# Allegro board 8880F5-0825_4.brd (continued)
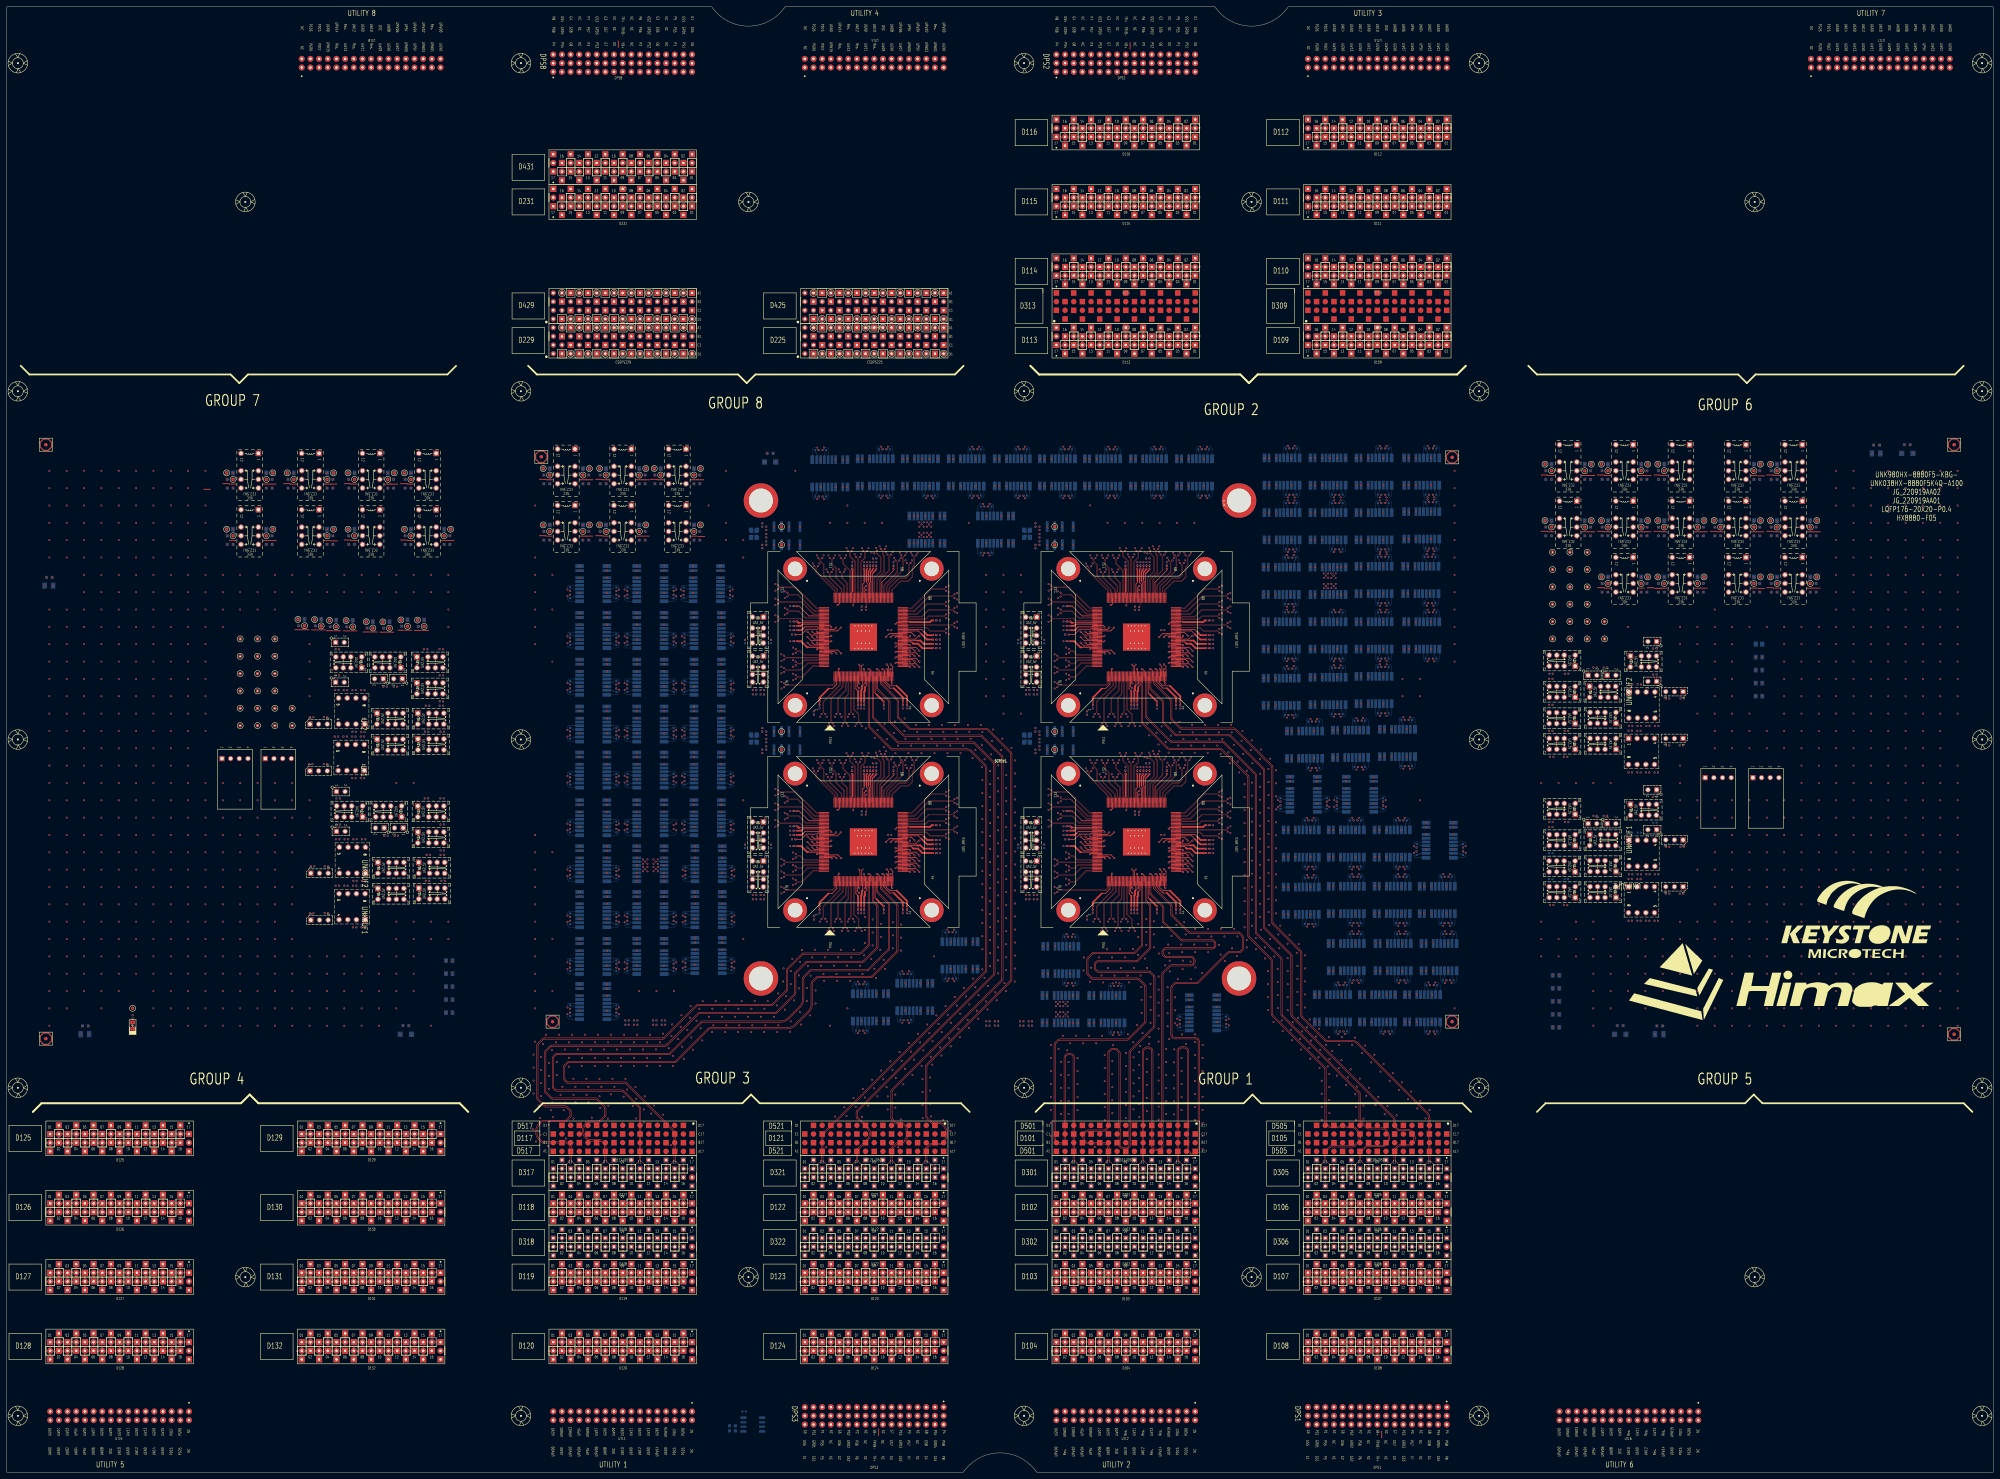
[diagram p0: board, top side]
## Routing (per net, layer and track width the routed paths; a pad name or vN(x,y) marks a point on that pad's centre or on a via; arc(x,y) is an arc through that point) (continued)
v1(266.71,59.79) v1(266.71,57.25) v1(266.71,39.47) v1(266.71,36.93) v1(266.81,128.43) v1(266.96,214.85) v1(267.21,278.26) v1(267.21,276.99) v1(267.21,275.21) v1(267.21,273.94) v1(267.43,125.91) v1(267.59,143.19) v1(267.59,135.19) v1(267.82,210.63) v1(267.89,119.02) v1(267.91,88.9) v1(267.98,78.84) v1(267.96,76.1) v1(267.91,68.58) v1(267.98,58.52) v1(267.96,55.78) v1(267.98,38.2) v1(267.96,35.46) v1(268.01,296.86) v1(268.03,86.36) v1(268.03,66.04) v1(268.13,115.14) v1(268.13,111.33) v1(268.13,107.52) v1(268.19,103.71) v1(268.48,278.26) v1(268.48,276.99) v1(268.48,275.21) v1(268.48,273.94) v1(268.39,123.55) v1(268.62,212.85) v1(268.94,280.1) v1(268.94,272.1) v1(269.24,87.57) v1(269.24,85.15) v1(269.23,77.37) v1(269.23,74.83) v1(269.24,67.25) v1(269.24,64.83) v1(269.23,57.05) v1(269.23,54.51) v1(269.23,36.73) v1(269.23,34.19) v1(269.41,278.26) v1(269.41,276.99) v1(269.41,275.21) v1(269.41,273.94) v1(269.5,131.12) v1(269.98,218.85) v1(270.13,128.6) v1(270.21,296.86) v1(270.21,288.86) v1(270.35,115.62) v1(270.35,111.81) v1(270.35,108) v1(270.43,216.89) v1(270.45,86.36) v1(270.45,66.04) v1(270.56,104.2) v1(270.57,88.9) v1(270.52,78.84) v1(270.5,76.1) v1(270.57,68.58) v1(270.52,58.52) v1(270.5,55.78) v1(270.52,38.2) v1(270.5,35.46) v1(270.68,278.26) v1(270.68,276.99) v1(270.68,275.21) v1(270.68,273.94) v1(270.58,121.72) v1(270.77,214.85) v1(271.04,143.19) v1(271.04,135.19) v1(271.01,119.37) v1(271.14,280.1) v1(271.14,272.1) v1(271.09,126.24) v1(271.53,151.1) v1(271.63,210.63) v1(271.78,90.11) v1(271.78,87.69) v1(271.78,69.79) v1(271.78,67.37) v1(271.79,80.11) v1(271.79,77.57) v1(271.79,59.79) v1(271.79,57.25) v1(271.79,39.47) v1(271.79,36.93) v1(272.2,133.82) v1(272.43,212.85) v1(272.66,296.86) v1(272.82,131.3) v1(272.99,88.9) v1(273.06,78.84) v1(272.99,68.58) v1(273.06,58.52) v1(273.06,38.2) v1(273.27,124.41) v1(273.7,122.07) v1(273.79,218.85) v1(273.78,128.93) v1(274.24,216.89) v1(274.23,103.15) v1(274.58,214.85) v1(274.59,280.1) v1(274.59,272.1) v1(274.89,136.51) v1(275.44,210.63) v1(275.52,133.99) v1(275.82,296.86) v1(275.82,288.86) v1(275.84,259.69) v1(275.84,257.79) v1(275.84,255.3) v1(275.84,253.39) v1(275.84,251.67) v1(275.84,249.76) v1(275.84,247.4) v1(275.84,245.5) v1(275.84,199.69) v1(275.84,197.79) v1(275.84,195.3) v1(275.84,193.39) v1(275.84,191.67) v1(275.84,189.76) v1(275.84,187.4) v1(275.84,185.5) v1(275.97,127.1) v1(276.24,212.85) v1(276.29,99.95) v1(276.4,155.38) v1(276.4,147.38) v1(276.48,131.63) v1(276.4,124.76) v1(277.6,218.85) v1(277.58,139.21) v1(278.05,216.89) v1(278.21,136.69) v1(278.28,257.56) v1(278.28,255.65) v1(278.28,253.6) v1(278.28,251.7) v1(278.28,249.18) v1(278.28,247.28) v1(278.28,197.56) v1(278.28,195.65) v1(278.28,193.6) v1(278.28,191.7) v1(278.28,189.18) v1(278.28,187.28) v1(278.39,214.85) v1(278.66,129.8) v1(279.17,134.32) v1(279.09,127.46) v1(279.27,296.86) v1(279.27,288.86) v1(279.25,210.63) v1(280.05,212.85) v1(280.28,141.9) v1(280.8,155.38) v1(280.8,147.38) v1(280.9,139.38) v1(281.36,132.49) v1(281.41,218.85) v1(281.69,278.1) v1(281.86,216.89) v1(281.86,137.02) v1(281.79,130.15) v1(282.2,214.85) v1(282.8,209.22) v1(282.97,144.59) v1(283.67,296.86) v1(283.67,288.86) v1(283.63,211.54) v1(283.6,142.07) v1(284.05,135.19) v1(284.25,155.38) v1(284.25,147.38) v1(284.48,132.84) v1(284.56,139.71) v1(285.22,218.85) v1(285.51,212.97) v1(285.49,206.53) v1(285.66,216.79) v1(285.67,202.72) v1(285.67,198.91) v1(285.67,195.1) v1(285.67,191.29) v1(285.67,187.48) v1(285.67,183.67) v1(285.67,179.86) v1(285.67,176.05) v1(285.67,172.24) v1(285.67,168.43) v1(285.67,164.62) v1(285.67,160.81) v1(285.67,157) v1(285.67,153.19) v1(285.67,147.29) v1(286.32,208.85) v1(286.29,144.77) v1(286.77,262.86) v1(286.77,257.78) v1(286.77,252.7) v1(286.77,247.62) v1(286.77,242.54) v1(286.77,237.46) v1(286.77,232.38) v1(286.77,227.3) v1(286.74,137.88) v1(286.81,280.1) v1(286.81,272.1) v1(287.17,135.54) v1(287.25,142.4) v1(287.89,205.38) v1(287.89,201.57) v1(287.89,197.76) v1(287.89,193.95) v1(287.89,190.14) v1(287.89,186.33) v1(287.89,182.52) v1(287.89,178.71) v1(287.89,174.9) v1(287.89,171.09) v1(287.89,167.28) v1(287.89,163.47) v1(287.89,159.66) v1(287.89,155.85) v1(287.89,152.04) v1(287.89,148.23) v1(288.21,210.27) v1(288.46,214.2) v1(288.81,217.55) v1(289.29,296.86) v1(289.29,288.86) v1(289.31,130.81) v1(289.44,140.57) v1(289.87,138.23) v1(290.28,207.07) v1(290.28,203.26) v1(290.28,199.45) v1(290.28,195.64) v1(290.28,191.83) v1(290.28,188.02) v1(290.28,184.21) v1(290.28,180.4) v1(290.28,176.59) v1(290.28,172.78) v1(290.28,168.97) v1(290.28,165.16) v1(290.28,161.35) v1(290.28,157.54) v1(290.28,153.73) v1(290.28,149.92) v1(290.28,146.11) v1(291.16,211.51) v1(291.21,280.1) v1(291.21,272.1) v1(291.5,214.86) v1(291.85,262.86) v1(291.85,257.78) v1(291.85,252.7) v1(291.85,247.62) v1(291.85,237.46) v1(291.85,232.38) v1(291.85,227.3) v1(291.85,222.22) v1(292.13,143.27) v1(292.56,140.93) v1(292.65,208) v1(292.65,204.19) v1(292.65,200.38) v1(292.65,196.57) v1(292.65,192.76) v1(292.65,188.95) v1(292.65,185.14) v1(292.65,181.33) v1(292.65,177.52) v1(292.65,173.71) v1(292.65,169.9) v1(292.65,166.09) v1(292.65,162.28) v1(292.65,158.47) v1(292.65,154.66) v1(292.65,150.85) v1(292.65,147.04) v1(292.74,296.86) v1(292.74,288.86) v1(294.2,212.16) v1(294.66,280.1) v1(294.66,272.1) v1(295.14,143.73) v1(295.24,208.5) v1(295.24,204.69) v1(295.24,200.88) v1(295.24,197.07) v1(295.24,193.26) v1(295.24,189.45) v1(295.24,185.64) v1(295.24,181.83) v1(295.24,178.02) v1(295.24,174.21) v1(295.24,170.4) v1(295.24,166.59) v1(295.24,162.78) v1(295.24,158.97) v1(295.24,155.16) v1(295.24,151.35) v1(295.24,147.54) v1(296.15,243.83) v1(296.15,183.83) v1(296.93,262.86) v1(296.93,257.78) v1(296.93,222.22) v1(297.14,296.86) v1(297.14,288.86) v1(298.45,227.84) v1(298.45,167.84) v1(299.22,130.81) v1(301.21,277.98) v1(301.21,270.66) v1(301.21,217.98) v1(301.21,210.66) v1(302.49,296.86) v1(302.49,288.86) v1(303.26,139.64) v1(303.26,131.64) v1(303.47,154.05) v1(303.47,146.05) v1(303.77,243.83) v1(303.77,183.83) v1(305.05,260.15) v1(305.05,258.25) v1(305.05,255.91) v1(305.05,254) v1(305.05,251.02) v1(305.05,249.11) v1(305.05,200.15) v1(305.05,198.25) v1(305.05,195.91) v1(305.05,194) v1(305.05,191.02) v1(305.05,189.11) v1(305.74,125.17) v1(305.74,121.36) v1(305.74,117.55) v1(305.74,113.74) v1(305.74,109.93) v1(305.74,106.12) v1(305.74,102.31) v1(305.74,98.5) v1(305.94,296.86) v1(305.94,288.86) v1(306.06,76.1) v1(306.06,55.78) v1(306.06,35.46) v1(306.13,86.36) v1(306.13,66.04) v1(306.71,139.64) v1(306.71,131.64) v1(306.83,239.58) v1(306.83,237.68) v1(306.83,235.95) v1(306.83,234.04) v1(306.83,231.47) v1(306.83,229.56) v1(306.83,179.58) v1(306.83,177.68) v1(306.83,175.95) v1(306.83,174.04) v1(306.83,171.47) v1(306.83,169.56) v1(306.92,154.05) v1(306.92,146.05) v1(307.17,137.79) v1(307.17,136.52) v1(307.17,134.75) v1(307.17,133.48) v1(307.34,87.57) v1(307.34,85.15) v1(307.33,77.37) v1(307.33,74.83) v1(307.34,67.25) v1(307.34,64.83) v1(307.33,57.05) v1(307.33,54.51) v1(307.33,36.73) v1(307.33,34.19) v1(307.8,258.03) v1(307.8,256.13) v1(307.8,253.11) v1(307.8,251.21) v1(307.8,198.03) v1(307.8,196.13) v1(307.8,193.11) v1(307.8,191.21) v1(307.97,123.96) v1(308.44,137.79) v1(308.44,136.52) v1(308.44,134.75) v1(308.44,133.48) v1(308.55,86.36) v1(308.55,66.04) v1(308.6,391.06) v1(308.6,370.74) v1(308.6,350.42) v1(308.6,330.1) v1(308.67,88.9) v1(308.62,78.84) v1(308.6,76.1) v1(308.67,68.58) v1(308.62,58.52) v1(308.6,55.78) v1(308.62,38.2) v1(308.6,35.46) v1(308.68,120.22) v1(308.68,116.41) v1(308.68,112.6) v1(308.68,108.79) v1(308.68,104.98) v1(308.91,139.64) v1(308.91,131.64) v1(309.24,127.85) v1(309.37,137.79) v1(309.37,136.52) v1(309.37,134.75) v1(309.37,133.48) v1(309.87,392.33) v1(309.87,389.79) v1(309.87,372.01) v1(309.87,369.47) v1(309.87,351.69) v1(309.87,349.15) v1(309.87,331.37) v1(309.87,328.83) v1(309.88,90.11) v1(309.88,87.69) v1(309.89,80.11) v1(309.89,77.57) v1(309.88,69.79) v1(309.88,67.37) v1(309.89,59.79) v1(309.89,57.25) v1(309.89,39.47) v1(309.89,36.93) v1(310.22,241.56) v1(310.22,239.65) v1(310.22,237.84) v1(310.22,235.93) v1(310.22,233.9) v1(310.22,232) v1(310.22,181.56) v1(310.22,179.65) v1(310.22,177.84) v1(310.22,175.93) v1(310.22,173.9) v1(310.22,172) v1(310.34,296.86) v1(310.34,288.86) v1(310.49,123.57) v1(310.64,137.79) v1(310.64,136.52) v1(310.64,134.75) v1(310.64,133.48) v1(310.91,120.18) v1(310.91,116.37) v1(310.91,112.56) v1(310.91,108.75) v1(310.91,104.94) v1(311.16,393.8) v1(311.14,391.06) v1(311.16,373.48) v1(311.14,370.74) v1(311.16,353.16) v1(311.14,350.42) v1(311.16,332.84) v1(311.14,330.1) v1(311.11,139.64) v1(311.11,131.64) v1(311.09,88.9) v1(311.16,78.84) v1(311.14,76.1) v1(311.09,68.58) v1(311.16,58.52) v1(311.14,55.78) v1(311.16,38.2) v1(311.14,35.46) v1(311.21,86.36) v1(311.21,66.04) v1(311.32,154.05) v1(311.32,146.05) v1(311.39,125.63) v1(312.43,395.07) v1(312.43,392.53) v1(312.43,374.75) v1(312.43,372.21) v1(312.43,354.43) v1(312.43,351.89) v1(312.43,334.11) v1(312.43,331.57) v1(312.42,87.57) v1(312.42,85.15) v1(312.41,77.37) v1(312.41,74.83) v1(312.42,67.25) v1(312.42,64.83) v1(312.41,57.05) v1(312.41,54.51) v1(312.41,36.73) v1(312.41,34.19) v1(313.05,127.85) v1(313.56,139.64) v1(313.56,131.64) v1(313.54,121.29) v1(313.54,117.48) v1(313.54,113.67) v1(313.54,109.86) v1(313.54,106.05) v1(313.63,86.36) v1(313.63,66.04) v1(313.7,393.8) v1(313.68,391.06) v1(313.7,373.48) v1(313.68,370.74) v1(313.7,353.16) v1(313.68,350.42) v1(313.7,332.84) v1(313.68,330.1) v1(313.75,88.9) v1(313.7,78.84) v1(313.68,76.1) v1(313.75,68.58) v1(313.7,58.52) v1(313.68,55.78) v1(313.7,38.2) v1(313.68,35.46) v1(314.95,392.33) v1(314.95,389.79) v1(314.95,372.01) v1(314.95,369.47) v1(314.95,351.69) v1(314.95,349.15) v1(314.95,331.37) v1(314.95,328.83) v1(314.96,90.11) v1(314.96,87.69) v1(314.97,80.11) v1(314.97,77.57) v1(314.96,69.79) v1(314.96,67.37) v1(314.97,59.79) v1(314.97,57.25) v1(314.97,39.47) v1(314.97,36.93) v1(315.2,125.63) v1(315.28,146.98) v1(315.39,150.79) v1(315.7,296.86) v1(315.7,288.86) v1(316.04,266.18) v1(316.04,206.18) v1(316.17,88.9) v1(316.17,68.58) v1(316.24,393.8) v1(316.22,391.06) v1(316.24,373.48) v1(316.22,370.74) v1(316.24,353.16) v1(316.22,350.42) v1(316.24,332.84) v1(316.22,330.1) v1(316.24,78.84) v1(316.22,76.1) v1(316.24,58.52) v1(316.22,55.78) v1(316.24,38.2) v1(316.22,35.46) v1(316.32,221.9) v1(316.32,161.9) v1(316.29,86.36) v1(316.29,66.04) v1(316.86,127.85) v1(316.97,139.64) v1(316.97,131.64) v1(317.25,283.18) v1(317.26,268.58) v1(317.26,208.58) v1(317.19,143.68) v1(317.51,395.07) v1(317.51,392.53) v1(317.51,374.75) v1(317.51,372.21) v1(317.51,354.43) v1(317.51,351.89) v1(317.51,334.11) v1(317.51,331.57) v1(317.52,147.79) v1(317.5,87.57) v1(317.5,85.15) v1(317.49,77.37) v1(317.49,74.83) v1(317.5,67.25) v1(317.5,64.83) v1(317.49,57.05) v1(317.49,54.51) v1(317.49,36.73) v1(317.49,34.19) v1(317.94,266.18) v1(317.94,206.18) v1(318.17,221.3) v1(318.17,161.3) v1(318.59,95.24) v1(318.78,393.8) v1(318.76,391.06) v1(318.78,373.48) v1(318.76,370.74) v1(318.78,353.16) v1(318.76,350.42) v1(318.78,332.84) v1(318.76,330.1) v1(318.71,86.36) v1(318.78,78.84) v1(318.76,76.1) v1(318.71,66.04) v1(318.78,58.52) v1(318.76,55.78) v1(318.78,38.2) v1(318.76,35.46) v1(318.83,88.9) v1(318.83,68.58) v1(319.01,125.63) v1(319.15,296.86) v1(319.15,288.86) v1(319.17,268.58) v1(319.17,208.58) v1(319.85,150.8) v1(320.03,392.33) v1(320.03,389.79) v1(320.03,372.01) v1(320.03,369.47) v1(320.03,351.69) v1(320.03,349.15) v1(320.03,331.37) v1(320.03,328.83) v1(320.01,264.45) v1(320.07,221.3) v1(320.01,204.45) v1(320.07,161.3) v1(320.04,90.11) v1(320.04,87.69) v1(320.05,80.11) v1(320.05,77.57) v1(320.04,69.79) v1(320.04,67.37) v1(320.05,59.79) v1(320.05,57.25) v1(320.05,39.47) v1(320.05,36.93) v1(320.35,218.55) v1(320.35,158.55) v1(320.42,139.64) v1(320.42,131.64) v1(320.56,145.49) v1(320.59,268.58) v1(320.59,208.58) v1(320.67,127.85) v1(321,143.47) v1(321.25,88.9) v1(321.25,68.58) v1(321.32,393.8) v1(321.3,391.06) v1(321.32,373.48) v1(321.3,370.74) v1(321.32,353.16) v1(321.3,350.42) v1(321.32,332.84) v1(321.3,330.1) v1(321.37,86.36) v1(321.32,78.84) v1(321.3,76.1) v1(321.37,66.04) v1(321.32,58.52) v1(321.3,55.78) v1(321.32,38.2) v1(321.3,35.46) v1(321.49,122.18) v1(321.49,118.37) v1(321.49,114.56) v1(321.49,110.75) v1(321.49,106.94) v1(321.49,103.13) v1(321.91,264.45) v1(321.91,204.45) v1(322.16,153.18) v1(322.26,218.55) v1(322.26,158.55) v1(322.33,278.1) v1(322.45,147.72) v1(322.5,268.58) v1(322.51,221.3) v1(322.5,208.58) v1(322.51,161.3) v1(322.57,77.37) v1(322.57,74.83) v1(322.57,57.05) v1(322.57,54.51) v1(322.57,36.73) v1(322.57,34.19) v1(322.59,395.07) v1(322.59,392.53) v1(322.59,374.75) v1(322.59,372.21) v1(322.59,354.43) v1(322.59,351.89) v1(322.59,334.11) v1(322.59,331.57) v1(322.58,87.57) v1(322.58,85.15) v1(322.58,67.25) v1(322.58,64.83) v1(323.55,296.86) v1(323.55,288.86) v1(323.58,264.45) v1(323.58,204.45) v1(323.66,150.8) v1(323.71,120.39) v1(323.71,116.58) v1(323.71,112.77) v1(323.71,108.96) v1(323.71,105.15) v1(323.86,393.8) v1(323.84,391.06) v1(323.86,373.48) v1(323.84,370.74) v1(323.86,353.16) v1(323.84,350.42) v1(323.86,332.84) v1(323.84,330.1) v1(323.84,268.58) v1(323.84,208.58) v1(323.79,86.36) v1(323.86,78.84) v1(323.84,76.1) v1(323.79,66.04) v1(323.86,58.52) v1(323.84,55.78) v1(323.86,38.2) v1(323.84,35.46) v1(323.96,125.08) v1(323.91,88.9) v1(323.91,68.58) v1(324.37,145.49) v1(324.41,221.3) v1(324.41,161.3) v1(324.5,218.55) v1(324.5,158.55) v1(324.81,143.47) v1(324.82,139.64) v1(324.82,131.64) v1(325.11,392.33) v1(325.11,389.79) v1(325.11,372.01) v1(325.11,369.47) v1(325.11,351.69) v1(325.11,349.15) v1(325.11,331.37) v1(325.11,328.83) v1(325.12,90.11) v1(325.12,87.69) v1(325.13,80.11) v1(325.13,77.57) v1(325.12,69.79) v1(325.12,67.37) v1(325.13,59.79) v1(325.13,57.25) v1(325.13,39.47) v1(325.13,36.93) v1(325.49,264.45) v1(325.49,204.45) v1(325.74,268.58) v1(325.74,208.58) v1(325.88,270.67) v1(325.88,210.67) v1(325.97,153.18) v1(326.28,221.3) v1(326.28,161.3) v1(326.26,147.72) v1(326.33,88.9) v1(326.33,68.58) v1(326.4,393.8) v1(326.38,391.06) v1(326.4,373.48) v1(326.38,370.74) v1(326.4,353.16) v1(326.38,350.42) v1(326.4,332.84) v1(326.38,330.1) v1(326.4,218.55) v1(326.4,158.55) v1(326.45,86.36) v1(326.4,78.84) v1(326.38,76.1) v1(326.45,66.04) v1(326.4,58.52) v1(326.38,55.78) v1(326.4,38.2) v1(326.38,35.46) v1(327.41,278.1) v1(327.47,150.8) v1(327.67,395.07) v1(327.67,392.53) v1(327.67,374.75) v1(327.67,372.21) v1(327.67,354.43) v1(327.67,351.89) v1(327.67,334.11) v1(327.67,331.57) v1(327.66,87.57) v1(327.66,85.15) v1(327.65,77.37) v1(327.65,74.83) v1(327.66,67.25) v1(327.66,64.83) v1(327.65,57.05) v1(327.65,54.51) v1(327.65,36.73) v1(327.65,34.19) v1(327.7,122.8) v1(327.7,118.99) v1(327.7,115.18) v1(327.7,111.37) v1(327.7,107.56) v1(327.7,103.75) v1(327.79,270.67) v1(327.79,210.67) v1(328.28,268.87) v1(328.18,221.3) v1(328.28,208.87) v1(328.18,161.3) v1(328.18,145.49) v1(328.27,128.27) v1(328.45,218.55) v1(328.45,158.55) v1(328.62,143.47) v1(328.87,86.36) v1(328.87,66.04) v1(328.94,393.8) v1(328.92,391.06) v1(328.94,373.48) v1(328.92,370.74) v1(328.94,353.16) v1(328.92,350.42) v1(328.94,332.84) v1(328.92,330.1) v1(328.94,78.84) v1(328.92,76.1) v1(328.94,58.52) v1(328.92,55.78) v1(328.94,38.2) v1(328.92,35.46) v1(328.99,88.9) v1(328.99,68.58) v1(329.16,296.86) v1(329.16,288.86) v1(329.78,153.25) v1(329.86,125.93) v1(329.92,121.53) v1(329.92,117.72) v1(329.92,113.91) v1(329.92,110.1) v1(329.92,106.29) v1(330.07,147.72) v1(330.19,392.33) v1(330.19,389.79) v1(330.19,372.01) v1(330.19,369.47) v1(330.19,351.69) v1(330.19,349.15) v1(330.19,331.37) v1(330.19,328.83) v1(330.18,268.87) v1(330.18,208.87) v1(330.2,90.11) v1(330.2,87.69) v1(330.21,80.11) v1(330.21,77.57) v1(330.2,69.79) v1(330.2,67.37) v1(330.21,59.79) v1(330.21,57.25) v1(330.21,39.47) v1(330.21,36.93) v1(330.34,252.59) v1(330.36,218.55) v1(330.34,192.59) v1(330.36,158.55) v1(330.41,270.67) v1(330.41,210.67) v1(330.96,130.97) v1(331.21,151.52) v1(331.32,160.55) v1(331.32,156.74) v1(331.48,393.8) v1(331.46,391.06) v1(331.48,373.48) v1(331.46,370.74) v1(331.48,353.16) v1(331.46,350.42) v1(331.48,332.84) v1(331.46,330.1) v1(331.41,88.9) v1(331.48,78.84) v1(331.46,76.1) v1(331.41,68.58) v1(331.48,58.52) v1(331.46,55.78) v1(331.48,38.2) v1(331.46,35.46) v1(331.54,253.46) v1(331.54,193.46) v1(331.53,86.36) v1(331.53,66.04) v1(331.6,123.04) v1(331.6,119.23) v1(331.6,115.42) v1(331.6,111.61) v1(331.6,107.8) v1(331.6,103.99) v1(331.84,218.55) v1(331.88,124.8) v1(331.99,145.49) v1(332.19,142.16) v1(332.31,270.67) v1(332.31,210.67) v1(332.29,138.35) v1(332.29,134.54) v1(332.49,278.1) v1(332.56,128.62) v1(332.61,296.86) v1(332.61,288.86) v1(332.75,395.07) v1(332.75,392.53) v1(332.75,374.75) v1(332.75,372.21) v1(332.75,354.43) v1(332.75,351.89) v1(332.75,334.11) v1(332.75,331.57) v1(332.74,87.57) v1(332.74,85.15) v1(332.73,77.37) v1(332.73,74.83) v1(332.74,67.25) v1(332.74,64.83) v1(332.73,57.05) v1(332.73,54.51) v1(332.73,36.73) v1(332.73,34.19) v1(333.17,269.43) v1(333.17,209.43) v1(333.29,150.45) v1(333.68,162.04) v1(333.68,158.23) v1(333.68,154.42) v1(333.83,121.04) v1(333.83,117.23) v1(333.83,113.42) v1(333.83,109.61) v1(333.83,105.8) v1(333.98,219.27) v1(333.88,147.72) v1(333.95,86.36) v1(333.95,66.04) v1(334.02,393.8) v1(334,391.06) v1(334.02,373.48) v1(334,370.74) v1(334.02,353.16) v1(334,350.42) v1(334.02,332.84) v1(334,330.1) v1(334.07,88.9) v1(334.02,78.84) v1(334,76.1) v1(334.07,68.58) v1(334.02,58.52) v1(334,55.78) v1(334.02,38.2) v1(334,35.46) v1(334.51,270.78) v1(334.54,215.86) v1(334.51,210.78) v1(334.57,127.49) v1(334.52,125.49) v1(334.61,267.66) v1(334.61,207.66) v1(334.91,143.05) v1(334.91,139.24) v1(334.91,135.43) v1(334.91,131.62) v1(335.27,392.33) v1(335.27,389.79) v1(335.27,372.01) v1(335.27,369.47) v1(335.27,351.69) v1(335.27,349.15) v1(335.27,331.37) v1(335.27,328.83) v1(335.28,90.11) v1(335.28,87.69) v1(335.29,80.11) v1(335.29,77.57) v1(335.28,69.79) v1(335.28,67.37) v1(335.29,59.79) v1(335.29,57.25) v1(335.29,39.47) v1(335.29,36.93) v1(335.58,271.2) v1(335.58,211.2) v1(335.9,161.37) v1(335.9,157.56) v1(335.9,153.75) v1(336.56,393.8) v1(336.54,391.06) v1(336.56,373.48) v1(336.54,370.74) v1(336.56,353.16) v1(336.54,350.42) v1(336.56,332.84) v1(336.54,330.1) v1(336.49,88.9) v1(336.56,78.84) v1(336.54,76.1) v1(336.49,68.58) v1(336.56,58.52) v1(336.54,55.78) v1(336.56,38.2) v1(336.54,35.46) v1(336.67,216.58) v1(336.61,86.36) v1(336.61,66.04) v1(337.01,296.86) v1(337.01,288.86) v1(337.23,213.16) v1(337.26,145.19) v1(337.26,141.38) v1(337.26,137.57) v1(337.26,133.76) v1(337.26,129.95) v1(337.26,126.14) v1(337.26,122.33) v1(337.26,118.52) v1(337.26,114.71) v1(337.26,110.9) v1(337.26,107.09) v1(337.26,103.28) v1(337.34,151.93) v1(337.46,269.59) v1(337.46,209.59) v1(337.57,278.1) v1(337.48,271.2) v1(337.48,211.2) v1(337.83,395.07) v1(337.83,392.53) v1(337.83,374.75) v1(337.83,372.21) v1(337.83,354.43) v1(337.83,351.89) v1(337.83,334.11) v1(337.83,331.57) v1(337.82,87.57) v1(337.82,85.15) v1(337.81,77.37) v1(337.81,74.83) v1(337.82,67.25) v1(337.82,64.83) v1(337.81,57.05) v1(337.81,54.51) v1(337.81,36.73) v1(337.81,34.19) v1(337.99,246.67) v1(337.99,186.67) v1(338.16,218.48) v1(338.35,159.75) v1(339.03,86.36) v1(339.03,66.04) v1(339.1,393.8) v1(339.08,391.06) v1(339.1,373.48) v1(339.08,370.74) v1(339.1,353.16) v1(339.08,350.42) v1(339.1,332.84) v1(339.08,330.1) v1(339.15,88.9) v1(339.1,78.84) v1(339.08,76.1) v1(339.15,68.58) v1(339.1,58.52) v1(339.08,55.78) v1(339.1,38.2) v1(339.08,35.46) v1(339.18,148.48) v1(339.37,269.59) v1(339.37,213.89) v1(339.37,209.59) v1(339.49,123.97) v1(339.49,120.16) v1(339.49,116.35) v1(339.49,112.54) v1(339.49,108.73) v1(339.49,104.92) v1(339.83,267.86) v1(339.83,207.86) v1(339.9,142.06) v1(339.89,138.25) v1(339.89,134.44) v1(339.89,130.63) v1(340.09,154.57) v1(340.22,210.8) v1(340.35,392.33) v1(340.35,389.79) v1(340.35,372.01) v1(340.35,369.47) v1(340.35,351.69) v1(340.35,349.15) v1(340.35,331.37) v1(340.35,328.83) v1(340.36,90.11) v1(340.36,87.69) v1(340.37,80.11) v1(340.37,77.57) v1(340.36,69.79) v1(340.36,67.37) v1(340.37,59.79) v1(340.37,57.25) 